# Altium PCB CONTROLLER_BASE.PcbDoc (part 2 of 7) (continued)
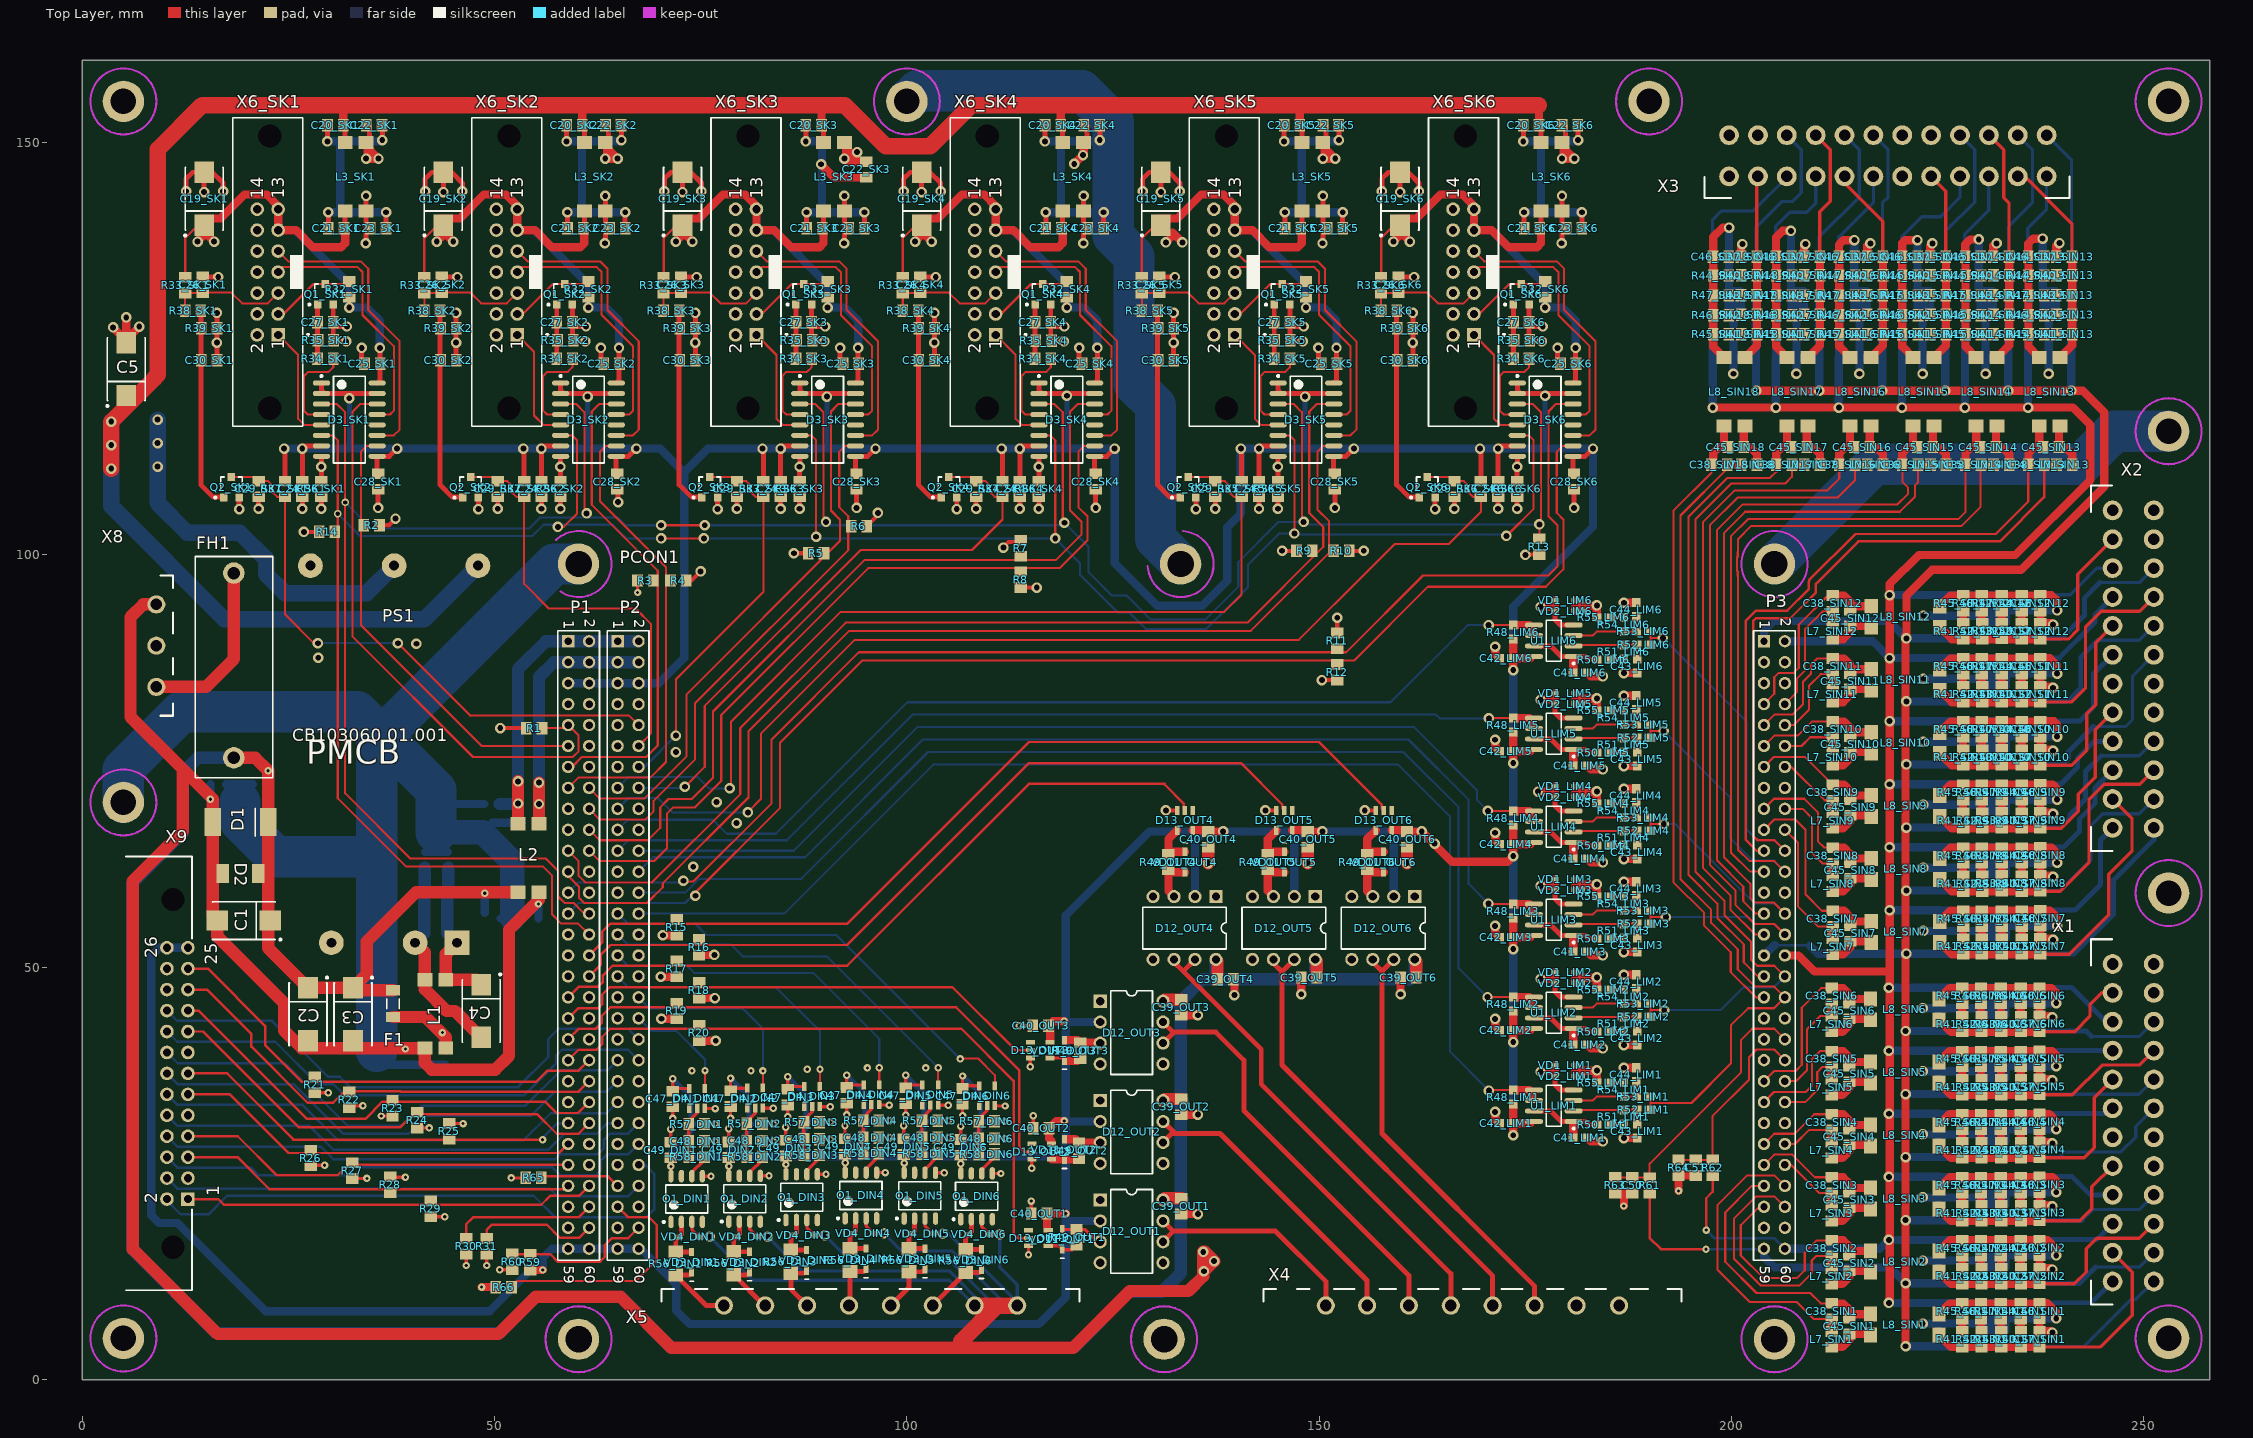
[diagram p0: Top Layer view]
## Components (designator, comment, footprint, x,y, rotation, side; value= is the part's Value field where it differs from the comment) (continued)
C34_SIN10 "ChipCap" "SMD CAP 0805" 225.203,78.896 r270 bottom (schematic designator C34)
C34_SIN11 "ChipCap" "SMD CAP 0805" 225.203,86.542 r270 bottom (schematic designator C34)
C34_SIN12 "ChipCap" "SMD CAP 0805" 225.203,94.187 r270 bottom (schematic designator C34)
C34_SIN13 "ChipCap" "SMD CAP 0805" 236.899,123.905 r0 bottom (schematic designator C34)
C34_SIN14 "ChipCap" "SMD CAP 0805" 229.254,123.905 r0 bottom (schematic designator C34)
C34_SIN15 "ChipCap" "SMD CAP 0805" 221.608,123.905 r0 bottom (schematic designator C34)
C34_SIN16 "ChipCap" "SMD CAP 0805" 213.963,123.905 r0 bottom (schematic designator C34)
C34_SIN17 "ChipCap" "SMD CAP 0805" 206.317,123.905 r0 bottom (schematic designator C34)
C34_SIN18 "ChipCap" "SMD CAP 0805" 198.672,123.905 r0 bottom (schematic designator C34)
C35_SIN1 "ChipCap" "SMD CAP 0805" 231.2,8.351 r270 bottom (schematic designator C35)
C35_SIN2 "ChipCap" "SMD CAP 0805" 231.2,15.996 r270 bottom (schematic designator C35)
C35_SIN3 "ChipCap" "SMD CAP 0805" 231.2,23.642 r270 bottom (schematic designator C35)
C35_SIN4 "ChipCap" "SMD CAP 0805" 231.2,31.287 r270 bottom (schematic designator C35)
C35_SIN5 "ChipCap" "SMD CAP 0805" 231.2,38.933 r270 bottom (schematic designator C35)
C35_SIN6 "ChipCap" "SMD CAP 0805" 231.2,46.578 r270 bottom (schematic designator C35)
C35_SIN7 "ChipCap" "SMD CAP 0805" 231.299,55.96 r270 bottom (schematic designator C35)
C35_SIN8 "ChipCap" "SMD CAP 0805" 231.299,63.606 r270 bottom (schematic designator C35)
C35_SIN9 "ChipCap" "SMD CAP 0805" 231.299,71.251 r270 bottom (schematic designator C35)
C35_SIN10 "ChipCap" "SMD CAP 0805" 231.299,78.896 r270 bottom (schematic designator C35)
C35_SIN11 "ChipCap" "SMD CAP 0805" 231.299,86.542 r270 bottom (schematic designator C35)
C35_SIN12 "ChipCap" "SMD CAP 0805" 231.299,94.187 r270 bottom (schematic designator C35)
C35_SIN13 "ChipCap" "SMD CAP 0805" 236.899,130.001 r0 bottom (schematic designator C35)
C35_SIN14 "ChipCap" "SMD CAP 0805" 229.254,130.001 r0 bottom (schematic designator C35)
C35_SIN15 "ChipCap" "SMD CAP 0805" 221.608,130.001 r0 bottom (schematic designator C35)
C35_SIN16 "ChipCap" "SMD CAP 0805" 213.963,130.001 r0 bottom (schematic designator C35)
C35_SIN17 "ChipCap" "SMD CAP 0805" 206.317,130.001 r0 bottom (schematic designator C35)
C35_SIN18 "ChipCap" "SMD CAP 0805" 198.672,130.001 r0 bottom (schematic designator C35)
C36_SIN1 "ChipCap" "SMD CAP 0805" 233.181,8.376 r270 bottom (schematic designator C36)
C36_SIN2 "ChipCap" "SMD CAP 0805" 233.181,16.022 r270 bottom (schematic designator C36)
C36_SIN3 "ChipCap" "SMD CAP 0805" 233.181,23.667 r270 bottom (schematic designator C36)
C36_SIN4 "ChipCap" "SMD CAP 0805" 233.181,31.313 r270 bottom (schematic designator C36)
C36_SIN5 "ChipCap" "SMD CAP 0805" 233.181,38.958 r270 bottom (schematic designator C36)
C36_SIN6 "ChipCap" "SMD CAP 0805" 233.181,46.603 r270 bottom (schematic designator C36)
C36_SIN7 "ChipCap" "SMD CAP 0805" 233.28,55.986 r270 bottom (schematic designator C36)
C36_SIN8 "ChipCap" "SMD CAP 0805" 233.28,63.631 r270 bottom (schematic designator C36)
C36_SIN9 "ChipCap" "SMD CAP 0805" 233.28,71.276 r270 bottom (schematic designator C36)
C36_SIN10 "ChipCap" "SMD CAP 0805" 233.28,78.922 r270 bottom (schematic designator C36)
C36_SIN11 "ChipCap" "SMD CAP 0805" 233.28,86.567 r270 bottom (schematic designator C36)
C36_SIN12 "ChipCap" "SMD CAP 0805" 233.28,94.213 r270 bottom (schematic designator C36)
C36_SIN13 "ChipCap" "SMD CAP 0805" 236.874,131.982 r0 bottom (schematic designator C36)
C36_SIN14 "ChipCap" "SMD CAP 0805" 229.228,131.982 r0 bottom (schematic designator C36)
C36_SIN15 "ChipCap" "SMD CAP 0805" 221.583,131.982 r0 bottom (schematic designator C36)
C36_SIN16 "ChipCap" "SMD CAP 0805" 213.937,131.982 r0 bottom (schematic designator C36)
C36_SIN17 "ChipCap" "SMD CAP 0805" 206.292,131.982 r0 bottom (schematic designator C36)
C36_SIN18 "ChipCap" "SMD CAP 0805" 198.647,131.982 r0 bottom (schematic designator C36)
C37_SIN1 "ChipCap" "SMD CAP 0805" 237.347,4.922 r90 top (schematic designator C37)
C37_SIN2 "ChipCap" "SMD CAP 0805" 237.347,12.567 r90 top (schematic designator C37)
C37_SIN3 "ChipCap" "SMD CAP 0805" 237.347,20.213 r90 top (schematic designator C37)
C37_SIN4 "ChipCap" "SMD CAP 0805" 237.347,27.858 r90 top (schematic designator C37)
C37_SIN5 "ChipCap" "SMD CAP 0805" 237.347,35.504 r90 top (schematic designator C37)
C37_SIN6 "ChipCap" "SMD CAP 0805" 237.347,43.149 r90 top (schematic designator C37)
C37_SIN7 "ChipCap" "SMD CAP 0805" 237.439,52.553 r90 top (schematic designator C37)
C37_SIN8 "ChipCap" "SMD CAP 0805" 237.446,60.177 r90 top (schematic designator C37)
C37_SIN9 "ChipCap" "SMD CAP 0805" 237.446,67.822 r90 top (schematic designator C37)
C37_SIN10 "ChipCap" "SMD CAP 0805" 237.446,75.467 r90 top (schematic designator C37)
C37_SIN11 "ChipCap" "SMD CAP 0805" 237.446,83.113 r90 top (schematic designator C37)
C37_SIN12 "ChipCap" "SMD CAP 0805" 237.446,90.758 r90 top (schematic designator C37)
C37_SIN13 "ChipCap" "SMD CAP 0805" 240.328,136.148 r180 top (schematic designator C37)
C37_SIN14 "ChipCap" "SMD CAP 0805" 232.683,136.148 r180 top (schematic designator C37)
C37_SIN15 "ChipCap" "SMD CAP 0805" 225.037,136.148 r180 top (schematic designator C37)
C37_SIN16 "ChipCap" "SMD CAP 0805" 217.392,136.148 r180 top (schematic designator C37)
C37_SIN17 "ChipCap" "SMD CAP 0805" 209.746,136.148 r180 top (schematic designator C37)
C37_SIN18 "ChipCap" "SMD CAP 0805" 202.101,136.148 r180 top (schematic designator C37)
C38_SIN1 "ChipCap" "SMD CAP 0805" 212.15,8.3 r270 top (schematic designator C38)
C38_SIN2 "ChipCap" "SMD CAP 0805" 212.15,15.946 r270 top (schematic designator C38)
C38_SIN3 "ChipCap" "SMD CAP 0805" 212.15,23.591 r270 top (schematic designator C38)
C38_SIN4 "ChipCap" "SMD CAP 0805" 212.15,31.236 r270 top (schematic designator C38)
C38_SIN5 "ChipCap" "SMD CAP 0805" 212.15,38.882 r270 top (schematic designator C38)
C38_SIN6 "ChipCap" "SMD CAP 0805" 212.15,46.527 r270 top (schematic designator C38)
C38_SIN7 "ChipCap" "SMD CAP 0805" 212.249,55.909 r270 top (schematic designator C38)
C38_SIN8 "ChipCap" "SMD CAP 0805" 212.249,63.555 r270 top (schematic designator C38)
C38_SIN9 "ChipCap" "SMD CAP 0805" 212.249,71.2 r270 top (schematic designator C38)
C38_SIN10 "ChipCap" "SMD CAP 0805" 212.249,78.846 r270 top (schematic designator C38)
C38_SIN11 "ChipCap" "SMD CAP 0805" 212.249,86.491 r270 top (schematic designator C38)
C38_SIN12 "ChipCap" "SMD CAP 0805" 212.249,94.136 r270 top (schematic designator C38)
C38_SIN13 "ChipCap" "SMD CAP 0805" 236.95,110.951 r0 top (schematic designator C38)
C38_SIN14 "ChipCap" "SMD CAP 0805" 229.304,110.951 r0 top (schematic designator C38)
C38_SIN15 "ChipCap" "SMD CAP 0805" 221.659,110.951 r0 top (schematic designator C38)
C38_SIN16 "ChipCap" "SMD CAP 0805" 214.014,110.951 r0 top (schematic designator C38)
C38_SIN17 "ChipCap" "SMD CAP 0805" 206.368,110.951 r0 top (schematic designator C38)
C38_SIN18 "ChipCap" "SMD CAP 0805" 198.526,110.947 r0 top (schematic designator C38)
C39_OUT1 "ChipCap" "SMD CAP 0805" 133.254,21.033 r270 top (schematic designator C39)
C39_OUT2 "ChipCap" "SMD CAP 0805" 133.254,33.083 r270 top (schematic designator C39)
C39_OUT3 "ChipCap" "SMD CAP 0805" 133.254,45.133 r270 top (schematic designator C39)
C39_OUT4 "ChipCap" "SMD CAP 0805" 138.633,48.539 r0 top (schematic designator C39)
C39_OUT5 "ChipCap" "SMD CAP 0805" 148.77,48.762 r180 top (schematic designator C39)
C39_OUT6 "ChipCap" "SMD CAP 0805" 160.82,48.762 r180 top (schematic designator C39)
C40_OUT1 "ChipCap" "SMD CAP 0805" 116.053,20.142 r180 top (schematic designator C40)
C40_OUT2 "ChipCap" "SMD CAP 0805" 116.281,30.48 r180 top (schematic designator C40)
C40_OUT3 "ChipCap" "SMD CAP 0805" 116.23,42.926 r180 top (schematic designator C40)
C40_OUT4 "ChipCap" "SMD CAP 0805" 136.551,65.522 r270 top (schematic designator C40)
C40_OUT5 "ChipCap" "SMD CAP 0805" 148.601,65.522 r270 top (schematic designator C40)
C40_OUT6 "ChipCap" "SMD CAP 0805" 160.651,65.522 r270 top (schematic designator C40)
C41_LIM1 "ChipCap" "SMD CAP 0603" 181.647,29.351 r0 top (schematic designator C41)
C41_LIM2 "ChipCap" "SMD CAP 0603" 181.647,40.628 r0 top (schematic designator C41)
C41_LIM3 "ChipCap" "SMD CAP 0603" 181.647,51.906 r0 top (schematic designator C41)
C41_LIM4 "ChipCap" "SMD CAP 0603" 181.647,63.183 r0 top (schematic designator C41)
C41_LIM5 "ChipCap" "SMD CAP 0603" 181.647,74.461 r0 top (schematic designator C41)
C41_LIM6 "ChipCap" "SMD CAP 0603" 181.647,85.739 r0 top (schematic designator C41)
C42_LIM1 "ChipCap" "SMD CAP 0603" 172.681,31.078 r180 top (schematic designator C42)
C42_LIM2 "ChipCap" "SMD CAP 0603" 172.681,42.355 r180 top (schematic designator C42)
C42_LIM3 "ChipCap" "SMD CAP 0603" 172.681,53.633 r180 top (schematic designator C42)
C42_LIM4 "ChipCap" "SMD CAP 0603" 172.681,64.911 r180 top (schematic designator C42)
C42_LIM5 "ChipCap" "SMD CAP 0603" 172.681,76.188 r180 top (schematic designator C42)
C42_LIM6 "ChipCap" "SMD CAP 0603" 172.681,87.466 r180 top (schematic designator C42)
C43_LIM1 "ChipCap" "SMD CAP 0603" 188.556,30.138 r270 top (schematic designator C43)
C43_LIM2 "ChipCap" "SMD CAP 0603" 188.556,41.416 r270 top (schematic designator C43)
C43_LIM3 "ChipCap" "SMD CAP 0603" 188.556,52.693 r270 top (schematic designator C43)
C43_LIM4 "ChipCap" "SMD CAP 0603" 188.556,63.971 r270 top (schematic designator C43)
C43_LIM5 "ChipCap" "SMD CAP 0603" 188.556,75.248 r270 top (schematic designator C43)
C43_LIM6 "ChipCap" "SMD CAP 0603" 188.556,86.526 r270 top (schematic designator C43)
C44_LIM1 "ChipCap" "SMD CAP 0603" 188.454,36.971 r90 top (schematic designator C44)
C44_LIM2 "ChipCap" "SMD CAP 0603" 188.454,48.248 r90 top (schematic designator C44)
C44_LIM3 "ChipCap" "SMD CAP 0603" 188.454,59.526 r90 top (schematic designator C44)
C44_LIM4 "ChipCap" "SMD CAP 0603" 188.454,70.803 r90 top (schematic designator C44)
C44_LIM5 "ChipCap" "SMD CAP 0603" 188.454,82.081 r90 top (schematic designator C44)
C44_LIM6 "ChipCap" "SMD CAP 0603" 188.454,93.359 r90 top (schematic designator C44)
C45_SIN1 "ChipCap" "SMD CAP 0805" 214.284,6.497 r270 top (schematic designator C45)
C45_SIN2 "ChipCap" "SMD CAP 0805" 214.284,14.142 r270 top (schematic designator C45)
C45_SIN3 "ChipCap" "SMD CAP 0805" 214.284,21.788 r270 top (schematic designator C45)
C45_SIN4 "ChipCap" "SMD CAP 0805" 214.284,29.433 r270 top (schematic designator C45)
C45_SIN5 "ChipCap" "SMD CAP 0805" 214.284,37.078 r270 top (schematic designator C45)
C45_SIN6 "ChipCap" "SMD CAP 0805" 214.284,44.724 r270 top (schematic designator C45)
C45_SIN7 "ChipCap" "SMD CAP 0805" 214.382,54.106 r270 top (schematic designator C45)
C45_SIN8 "ChipCap" "SMD CAP 0805" 214.382,61.751 r270 top (schematic designator C45)
C45_SIN9 "ChipCap" "SMD CAP 0805" 214.382,69.397 r270 top (schematic designator C45)
C45_SIN10 "ChipCap" "SMD CAP 0805" 214.382,77.042 r270 top (schematic designator C45)
C45_SIN11 "ChipCap" "SMD CAP 0805" 214.382,84.688 r270 top (schematic designator C45)
C45_SIN12 "ChipCap" "SMD CAP 0805" 214.382,92.333 r270 top (schematic designator C45)
C45_SIN13 "ChipCap" "SMD CAP 0805" 238.753,113.085 r0 top (schematic designator C45)
C45_SIN14 "ChipCap" "SMD CAP 0805" 231.108,113.085 r0 top (schematic designator C45)
C45_SIN15 "ChipCap" "SMD CAP 0805" 223.462,113.085 r0 top (schematic designator C45)
C45_SIN16 "ChipCap" "SMD CAP 0805" 215.817,113.085 r0 top (schematic designator C45)
C45_SIN17 "ChipCap" "SMD CAP 0805" 208.172,113.085 r0 top (schematic designator C45)
C45_SIN18 "ChipCap" "SMD CAP 0805" 200.526,113.085 r0 top (schematic designator C45)
C46_SIN1 "ChipCap" "SMD CAP 0805" 237.347,8.326 r90 top (schematic designator C46)
C46_SIN2 "ChipCap" "SMD CAP 0805" 237.347,15.971 r90 top (schematic designator C46)
C46_SIN3 "ChipCap" "SMD CAP 0805" 237.347,23.616 r90 top (schematic designator C46)
C46_SIN4 "ChipCap" "SMD CAP 0805" 237.347,31.262 r90 top (schematic designator C46)
C46_SIN5 "ChipCap" "SMD CAP 0805" 237.347,38.907 r90 top (schematic designator C46)
C46_SIN6 "ChipCap" "SMD CAP 0805" 237.347,46.553 r90 top (schematic designator C46)
C46_SIN7 "ChipCap" "SMD CAP 0805" 237.446,55.935 r90 top (schematic designator C46)
C46_SIN8 "ChipCap" "SMD CAP 0805" 237.446,63.58 r90 top (schematic designator C46)
C46_SIN9 "ChipCap" "SMD CAP 0805" 237.446,71.226 r90 top (schematic designator C46)
C46_SIN10 "ChipCap" "SMD CAP 0805" 237.446,78.871 r90 top (schematic designator C46)
C46_SIN11 "ChipCap" "SMD CAP 0805" 237.446,86.516 r90 top (schematic designator C46)
C46_SIN12 "ChipCap" "SMD CAP 0805" 237.446,94.162 r90 top (schematic designator C46)
C46_SIN13 "ChipCap" "SMD CAP 0805" 236.924,136.148 r180 top (schematic designator C46)
C46_SIN14 "ChipCap" "SMD CAP 0805" 229.279,136.148 r180 top (schematic designator C46)
C46_SIN15 "ChipCap" "SMD CAP 0805" 221.634,136.148 r180 top (schematic designator C46)
C46_SIN16 "ChipCap" "SMD CAP 0805" 213.988,136.148 r180 top (schematic designator C46)
C46_SIN17 "ChipCap" "SMD CAP 0805" 206.343,136.148 r180 top (schematic designator C46)
C46_SIN18 "ChipCap" "SMD CAP 0805" 198.697,136.148 r180 top (schematic designator C46)
C47_DIN1 "ChipCap" "SMD CAP 0805" 71.603,34.036 r90 top (schematic designator C47)
C47_DIN2 "ChipCap" "SMD CAP 0805" 78.631,34.069 r90 top (schematic designator C47)
C47_DIN3 "ChipCap" "SMD CAP 0805" 85.547,34.265 r90 top (schematic designator C47)
C47_DIN4 "ChipCap" "SMD CAP 0805" 92.73,34.462 r90 top (schematic designator C47)
C47_DIN5 "ChipCap" "SMD CAP 0805" 99.873,34.442 r90 top (schematic designator C47)
C47_DIN6 "ChipCap" "SMD CAP 0805" 106.756,34.355 r90 top (schematic designator C47)
C48_DIN1 "ChipCap" "SMD CAP 0805" 74.524,28.911 r0 top (schematic designator C48)
C48_DIN2 "ChipCap" "SMD CAP 0805" 81.552,28.943 r0 top (schematic designator C48)
C48_DIN3 "ChipCap" "SMD CAP 0805" 88.468,29.139 r0 top (schematic designator C48)
C48_DIN4 "ChipCap" "SMD CAP 0805" 95.651,29.337 r0 top (schematic designator C48)
C48_DIN5 "ChipCap" "SMD CAP 0805" 102.794,29.317 r0 top (schematic designator C48)
C48_DIN6 "ChipCap" "SMD CAP 0805" 109.677,29.23 r0 top (schematic designator C48)
C49_DIN1 "ChipCap" "SMD CAP 0805" 71.374,27.844 r90 top (schematic designator C49)
C49_DIN2 "ChipCap" "SMD CAP 0805" 78.403,27.876 r90 top (schematic designator C49)
C49_DIN3 "ChipCap" "SMD CAP 0805" 85.319,28.072 r90 top (schematic designator C49)
C49_DIN4 "ChipCap" "SMD CAP 0805" 92.501,28.27 r90 top (schematic designator C49)
C49_DIN5 "ChipCap" "SMD CAP 0805" 99.644,28.25 r90 top (schematic designator C49)
C49_DIN6 "ChipCap" "SMD CAP 0805" 106.528,28.163 r90 top (schematic designator C49)
C50 "ChipCap" "SMD CAP 0805" 187.96,23.571 r270 top
C51 "ChipCap" "SMD CAP 0805" 195.677,25.706 r270 top
D1 "SK32 SHOTTKY" "SMC DIODE" 19.2,67.6 r0 top
D2 "TVS SMB Case" "SMB TVS" 19.2,61.4 r0 top
D3_SK1 "CD40109B level shifter" SOIC127P780X120-16N 32.4,116.4 r0 top (schematic designator D3)
D3_SK2 "CD40109B level shifter" SOIC127P780X120-16N 61.4,116.4 r0 top (schematic designator D3)
D3_SK3 "CD40109B level shifter" SOIC127P780X120-16N 90.4,116.4 r0 top (schematic designator D3)
D3_SK4 "CD40109B level shifter" SOIC127P780X120-16N 119.4,116.4 r0 top (schematic designator D3)
D3_SK5 "CD40109B level shifter" SOIC127P780X120-16N 148.4,116.4 r0 top (schematic designator D3)
D3_SK6 "CD40109B level shifter" SOIC127P780X120-16N 177.4,116.4 r0 top (schematic designator D3)
D4_DIN1 "Inverted Schmitt Trigger" "TI-SOT23 SOT95P280X145-5N" 74.574,34.112 r90 top (schematic designator D4)
D4_DIN2 "Inverted Schmitt Trigger" "TI-SOT23 SOT95P280X145-5N" 81.603,34.145 r90 top (schematic designator D4)
D4_DIN3 "Inverted Schmitt Trigger" "TI-SOT23 SOT95P280X145-5N" 88.519,34.341 r90 top (schematic designator D4)
D4_DIN4 "Inverted Schmitt Trigger" "TI-SOT23 SOT95P280X145-5N" 95.702,34.539 r90 top (schematic designator D4)
D4_DIN5 "Inverted Schmitt Trigger" "TI-SOT23 SOT95P280X145-5N" 102.845,34.519 r90 top (schematic designator D4)
D4_DIN6 "Inverted Schmitt Trigger" "TI-SOT23 SOT95P280X145-5N" 109.728,34.432 r90 top (schematic designator D4)
D12_OUT1 "TLP250" TLP250 127.254,17.983 r0 top (schematic designator D12)
D12_OUT2 "TLP250" TLP250 127.254,30.033 r0 top (schematic designator D12)
D12_OUT3 "TLP250" TLP250 127.254,42.083 r0 top (schematic designator D12)
D12_OUT4 "TLP250" TLP250 133.67,54.762 r270 top (schematic designator D12)
D12_OUT5 "TLP250" TLP250 145.72,54.762 r270 top (schematic designator D12)
D12_OUT6 "TLP250" TLP250 157.77,54.762 r270 top (schematic designator D12)
D13_OUT1 "Inverted Schmitt Trigger" "TI-SOT23 SOT95P280X145-5N" 115.951,17.17 r0 top (schematic designator D13)
D13_OUT2 "Inverted Schmitt Trigger" "TI-SOT23 SOT95P280X145-5N" 116.357,27.661 r0 top (schematic designator D13)
D13_OUT3 "Inverted Schmitt Trigger" "TI-SOT23 SOT95P280X145-5N" 116.18,39.954 r0 top (schematic designator D13)
D13_OUT4 "Inverted Schmitt Trigger" "TI-SOT23 SOT95P280X145-5N" 133.72,67.812 r270 top (schematic designator D13)
D13_OUT5 "Inverted Schmitt Trigger" "TI-SOT23 SOT95P280X145-5N" 145.77,67.812 r270 top (schematic designator D13)
D13_OUT6 "Inverted Schmitt Trigger" "TI-SOT23 SOT95P280X145-5N" 157.82,67.812 r270 top (schematic designator D13)
F1 "Fuse 1206" R1206 37.7,45.6 r270 top
FH1 "FuseHolder" "FuseHolder 6.3A 220V" 18.4,97.8 r270 top
L1 "EMIF CPFC74NP" "EMIF CPFC74NP" 44.1,40.2 r90 top
L2 "EMIF CPFC74NP" "EMIF CPFC74NP" 55.4,59.1 r90 top
L3_SK1 "EMIF CPFC74NP" "EMIF CPFC74NP" 31.9,150 r270 top (schematic designator L3)
L3_SK2 "EMIF CPFC74NP" "EMIF CPFC74NP" 60.9,150 r270 top (schematic designator L3)
L3_SK3 "EMIF CPFC74NP" "EMIF CPFC74NP" 89.9,150 r270 top (schematic designator L3)
L3_SK4 "EMIF CPFC74NP" "EMIF CPFC74NP" 118.9,150 r270 top (schematic designator L3)
L3_SK5 "EMIF CPFC74NP" "EMIF CPFC74NP" 147.9,150 r270 top (schematic designator L3)
L3_SK6 "EMIF CPFC74NP" "EMIF CPFC74NP" 176.9,150 r270 top (schematic designator L3)
L4_SIN1 "LQM21" "SMD IND 0805" 228.101,4.084 r180 bottom (schematic designator L4)
L4_SIN2 "LQM21" "SMD IND 0805" 228.101,11.729 r180 bottom (schematic designator L4)
L4_SIN3 "LQM21" "SMD IND 0805" 228.101,19.375 r180 bottom (schematic designator L4)
L4_SIN4 "LQM21" "SMD IND 0805" 228.101,27.02 r180 bottom (schematic designator L4)
L4_SIN5 "LQM21" "SMD IND 0805" 228.101,34.665 r180 bottom (schematic designator L4)
L4_SIN6 "LQM21" "SMD IND 0805" 228.101,42.311 r180 bottom (schematic designator L4)
L4_SIN7 "LQM21" "SMD IND 0805" 228.2,51.693 r180 bottom (schematic designator L4)
L4_SIN8 "LQM21" "SMD IND 0805" 228.2,59.338 r180 bottom (schematic designator L4)
L4_SIN9 "LQM21" "SMD IND 0805" 228.2,66.984 r180 bottom (schematic designator L4)
L4_SIN10 "LQM21" "SMD IND 0805" 228.2,74.629 r180 bottom (schematic designator L4)
L4_SIN11 "LQM21" "SMD IND 0805" 228.2,82.275 r180 bottom (schematic designator L4)
L4_SIN12 "LQM21" "SMD IND 0805" 228.2,89.92 r180 bottom (schematic designator L4)
L4_SIN13 "LQM21" "SMD IND 0805" 241.166,126.902 r270 bottom (schematic designator L4)
L4_SIN14 "LQM21" "SMD IND 0805" 233.521,126.902 r270 bottom (schematic designator L4)
L4_SIN15 "LQM21" "SMD IND 0805" 225.875,126.902 r270 bottom (schematic designator L4)
L4_SIN16 "LQM21" "SMD IND 0805" 218.23,126.902 r270 bottom (schematic designator L4)
L4_SIN17 "LQM21" "SMD IND 0805" 210.585,126.902 r270 bottom (schematic designator L4)
L4_SIN18 "LQM21" "SMD IND 0805" 202.939,126.902 r270 bottom (schematic designator L4)
L5_SIN1 "LQM21" "SMD IND 0805" 228.101,6.802 r180 bottom (schematic designator L5)
L5_SIN2 "LQM21" "SMD IND 0805" 228.101,14.447 r180 bottom (schematic designator L5)
L5_SIN3 "LQM21" "SMD IND 0805" 228.101,22.092 r180 bottom (schematic designator L5)
L5_SIN4 "LQM21" "SMD IND 0805" 228.101,29.738 r180 bottom (schematic designator L5)
L5_SIN5 "LQM21" "SMD IND 0805" 228.101,37.383 r180 bottom (schematic designator L5)
L5_SIN6 "LQM21" "SMD IND 0805" 228.101,45.029 r180 bottom (schematic designator L5)
L5_SIN7 "LQM21" "SMD IND 0805" 228.2,54.411 r180 bottom (schematic designator L5)
L5_SIN8 "LQM21" "SMD IND 0805" 228.2,62.056 r180 bottom (schematic designator L5)
L5_SIN9 "LQM21" "SMD IND 0805" 228.2,69.702 r180 bottom (schematic designator L5)
L5_SIN10 "LQM21" "SMD IND 0805" 228.2,77.347 r180 bottom (schematic designator L5)
L5_SIN11 "LQM21" "SMD IND 0805" 228.2,84.992 r180 bottom (schematic designator L5)
L5_SIN12 "LQM21" "SMD IND 0805" 228.2,92.638 r180 bottom (schematic designator L5)
L5_SIN13 "LQM21" "SMD IND 0805" 238.448,126.902 r270 bottom (schematic designator L5)
L5_SIN14 "LQM21" "SMD IND 0805" 230.803,126.902 r270 bottom (schematic designator L5)
L5_SIN15 "LQM21" "SMD IND 0805" 223.158,126.902 r270 bottom (schematic designator L5)
L5_SIN16 "LQM21" "SMD IND 0805" 215.512,126.902 r270 bottom (schematic designator L5)
L5_SIN17 "LQM21" "SMD IND 0805" 207.867,126.902 r270 bottom (schematic designator L5)
L5_SIN18 "LQM21" "SMD IND 0805" 200.221,126.902 r270 bottom (schematic designator L5)
L6_SIN1 "LQM21" "SMD IND 0805" 228.101,9.291 r180 bottom (schematic designator L6)
L6_SIN2 "LQM21" "SMD IND 0805" 228.101,16.936 r180 bottom (schematic designator L6)
L6_SIN3 "LQM21" "SMD IND 0805" 228.101,24.582 r180 bottom (schematic designator L6)
L6_SIN4 "LQM21" "SMD IND 0805" 228.101,32.227 r180 bottom (schematic designator L6)
L6_SIN5 "LQM21" "SMD IND 0805" 228.101,39.872 r180 bottom (schematic designator L6)
L6_SIN6 "LQM21" "SMD IND 0805" 228.101,47.518 r180 bottom (schematic designator L6)
L6_SIN7 "LQM21" "SMD IND 0805" 228.2,56.9 r180 bottom (schematic designator L6)
L6_SIN8 "LQM21" "SMD IND 0805" 228.2,64.545 r180 bottom (schematic designator L6)
L6_SIN9 "LQM21" "SMD IND 0805" 228.2,72.191 r180 bottom (schematic designator L6)
L6_SIN10 "LQM21" "SMD IND 0805" 228.2,79.836 r180 bottom (schematic designator L6)
L6_SIN11 "LQM21" "SMD IND 0805" 228.2,87.482 r180 bottom (schematic designator L6)
L6_SIN12 "LQM21" "SMD IND 0805" 228.2,95.127 r180 bottom (schematic designator L6)
L6_SIN13 "LQM21" "SMD IND 0805" 235.959,126.902 r270 bottom (schematic designator L6)
L6_SIN14 "LQM21" "SMD IND 0805" 228.314,126.902 r270 bottom (schematic designator L6)
L6_SIN15 "LQM21" "SMD IND 0805" 220.668,126.902 r270 bottom (schematic designator L6)
L6_SIN16 "LQM21" "SMD IND 0805" 213.023,126.902 r270 bottom (schematic designator L6)
L6_SIN17 "LQM21" "SMD IND 0805" 205.378,126.902 r270 bottom (schematic designator L6)
L6_SIN18 "LQM21" "SMD IND 0805" 197.732,126.902 r270 bottom (schematic designator L6)
L7_SIN1 "LQM21" "SMD IND 0805" 212.15,4.897 r90 top (schematic designator L7)
L7_SIN2 "LQM21" "SMD IND 0805" 212.15,12.542 r90 top (schematic designator L7)
L7_SIN3 "LQM21" "SMD IND 0805" 212.15,20.187 r90 top (schematic designator L7)
L7_SIN4 "LQM21" "SMD IND 0805" 212.15,27.833 r90 top (schematic designator L7)
L7_SIN5 "LQM21" "SMD IND 0805" 212.15,35.478 r90 top (schematic designator L7)
L7_SIN6 "LQM21" "SMD IND 0805" 212.15,43.124 r90 top (schematic designator L7)
L7_SIN7 "LQM21" "SMD IND 0805" 212.249,52.506 r90 top (schematic designator L7)
L7_SIN8 "LQM21" "SMD IND 0805" 212.249,60.151 r90 top (schematic designator L7)
L7_SIN9 "LQM21" "SMD IND 0805" 212.249,67.797 r90 top (schematic designator L7)
L7_SIN10 "LQM21" "SMD IND 0805" 212.249,75.442 r90 top (schematic designator L7)
L7_SIN11 "LQM21" "SMD IND 0805" 212.249,83.087 r90 top (schematic designator L7)
L7_SIN12 "LQM21" "SMD IND 0805" 212.249,90.733 r90 top (schematic designator L7)
L7_SIN13 "LQM21" "SMD IND 0805" 240.353,110.951 r180 top (schematic designator L7)
L7_SIN14 "LQM21" "SMD IND 0805" 232.708,110.951 r180 top (schematic designator L7)
L7_SIN15 "LQM21" "SMD IND 0805" 225.063,110.951 r180 top (schematic designator L7)
L7_SIN16 "LQM21" "SMD IND 0805" 217.417,110.951 r180 top (schematic designator L7)
L7_SIN17 "LQM21" "SMD IND 0805" 209.772,110.951 r180 top (schematic designator L7)
L7_SIN18 "LQM21" "SMD IND 0805" 202.126,110.951 r180 top (schematic designator L7)
L8_SIN1 "EMIF CPFC74NP" "EMIF CPFC74NP" 216.849,5.405 r0 top (schematic designator L8)
L8_SIN2 "EMIF CPFC74NP" "EMIF CPFC74NP" 216.849,13.05 r0 top (schematic designator L8)
L8_SIN3 "EMIF CPFC74NP" "EMIF CPFC74NP" 216.849,20.695 r0 top (schematic designator L8)
L8_SIN4 "EMIF CPFC74NP" "EMIF CPFC74NP" 216.849,28.341 r0 top (schematic designator L8)
L8_SIN5 "EMIF CPFC74NP" "EMIF CPFC74NP" 216.849,35.986 r0 top (schematic designator L8)
L8_SIN6 "EMIF CPFC74NP" "EMIF CPFC74NP" 216.849,43.632 r0 top (schematic designator L8)
L8_SIN7 "EMIF CPFC74NP" "EMIF CPFC74NP" 216.948,53.014 r0 top (schematic designator L8)
L8_SIN8 "EMIF CPFC74NP" "EMIF CPFC74NP" 216.948,60.659 r0 top (schematic designator L8)
L8_SIN9 "EMIF CPFC74NP" "EMIF CPFC74NP" 216.948,68.305 r0 top (schematic designator L8)
L8_SIN10 "EMIF CPFC74NP" "EMIF CPFC74NP" 216.948,75.95 r0 top (schematic designator L8)
L8_SIN11 "EMIF CPFC74NP" "EMIF CPFC74NP" 216.948,83.595 r0 top (schematic designator L8)
L8_SIN12 "EMIF CPFC74NP" "EMIF CPFC74NP" 216.948,91.241 r0 top (schematic designator L8)
L8_SIN13 "EMIF CPFC74NP" "EMIF CPFC74NP" 239.845,115.65 r90 top (schematic designator L8)
L8_SIN14 "EMIF CPFC74NP" "EMIF CPFC74NP" 232.2,115.65 r90 top (schematic designator L8)
L8_SIN15 "EMIF CPFC74NP" "EMIF CPFC74NP" 224.555,115.65 r90 top (schematic designator L8)
L8_SIN16 "EMIF CPFC74NP" "EMIF CPFC74NP" 216.909,115.65 r90 top (schematic designator L8)
L8_SIN17 "EMIF CPFC74NP" "EMIF CPFC74NP" 209.264,115.65 r90 top (schematic designator L8)
L8_SIN18 "EMIF CPFC74NP" "EMIF CPFC74NP" 201.618,115.65 r90 top (schematic designator L8)
O1_DIN1 "Single Channel ISO" SOIC127P590X363-8N 71.399,19.132 r90 top (schematic designator O1)
O1_DIN2 "Single Channel ISO" SOIC127P590X363-8N 78.428,19.164 r90 top (schematic designator O1)
O1_DIN3 "Single Channel ISO" SOIC127P590X363-8N 85.344,19.36 r90 top (schematic designator O1)
O1_DIN4 "Single Channel ISO" SOIC127P590X363-8N 92.527,19.558 r90 top (schematic designator O1)
O1_DIN5 "Single Channel ISO" SOIC127P590X363-8N 99.67,19.538 r90 top (schematic designator O1)
O1_DIN6 "Single Channel ISO" SOIC127P590X363-8N 106.553,19.451 r90 top (schematic designator O1)
PCON1 "PowerCon Mini PCB module" "PCON MINI" 60.2,4.9 r0 top locked
PS1 "TEN30 30W Power Supply" TEN30 48,98.7 r180 top
Q1_SK1 "BC847BLT1" 318-08 29.5,131.6 r0 top (schematic designator Q1)
Q1_SK2 "BC847BLT1" 318-08 58.5,131.6 r0 top (schematic designator Q1)
Q1_SK3 "BC847BLT1" 318-08 87.5,131.6 r0 top (schematic designator Q1)